# Altium PCB PCB1.PcbDoc
Units mil, origin at the board's own origin, x right, y up, seen from the top; angles counter-clockwise.
Board outline 4439.14 x 4603.27 mil, 2 copper layers (Top Layer, Bottom Layer); 98 components, 122 nets, 405 pads, 50 vias.
Unrouted connection lines stored in the file: 5.
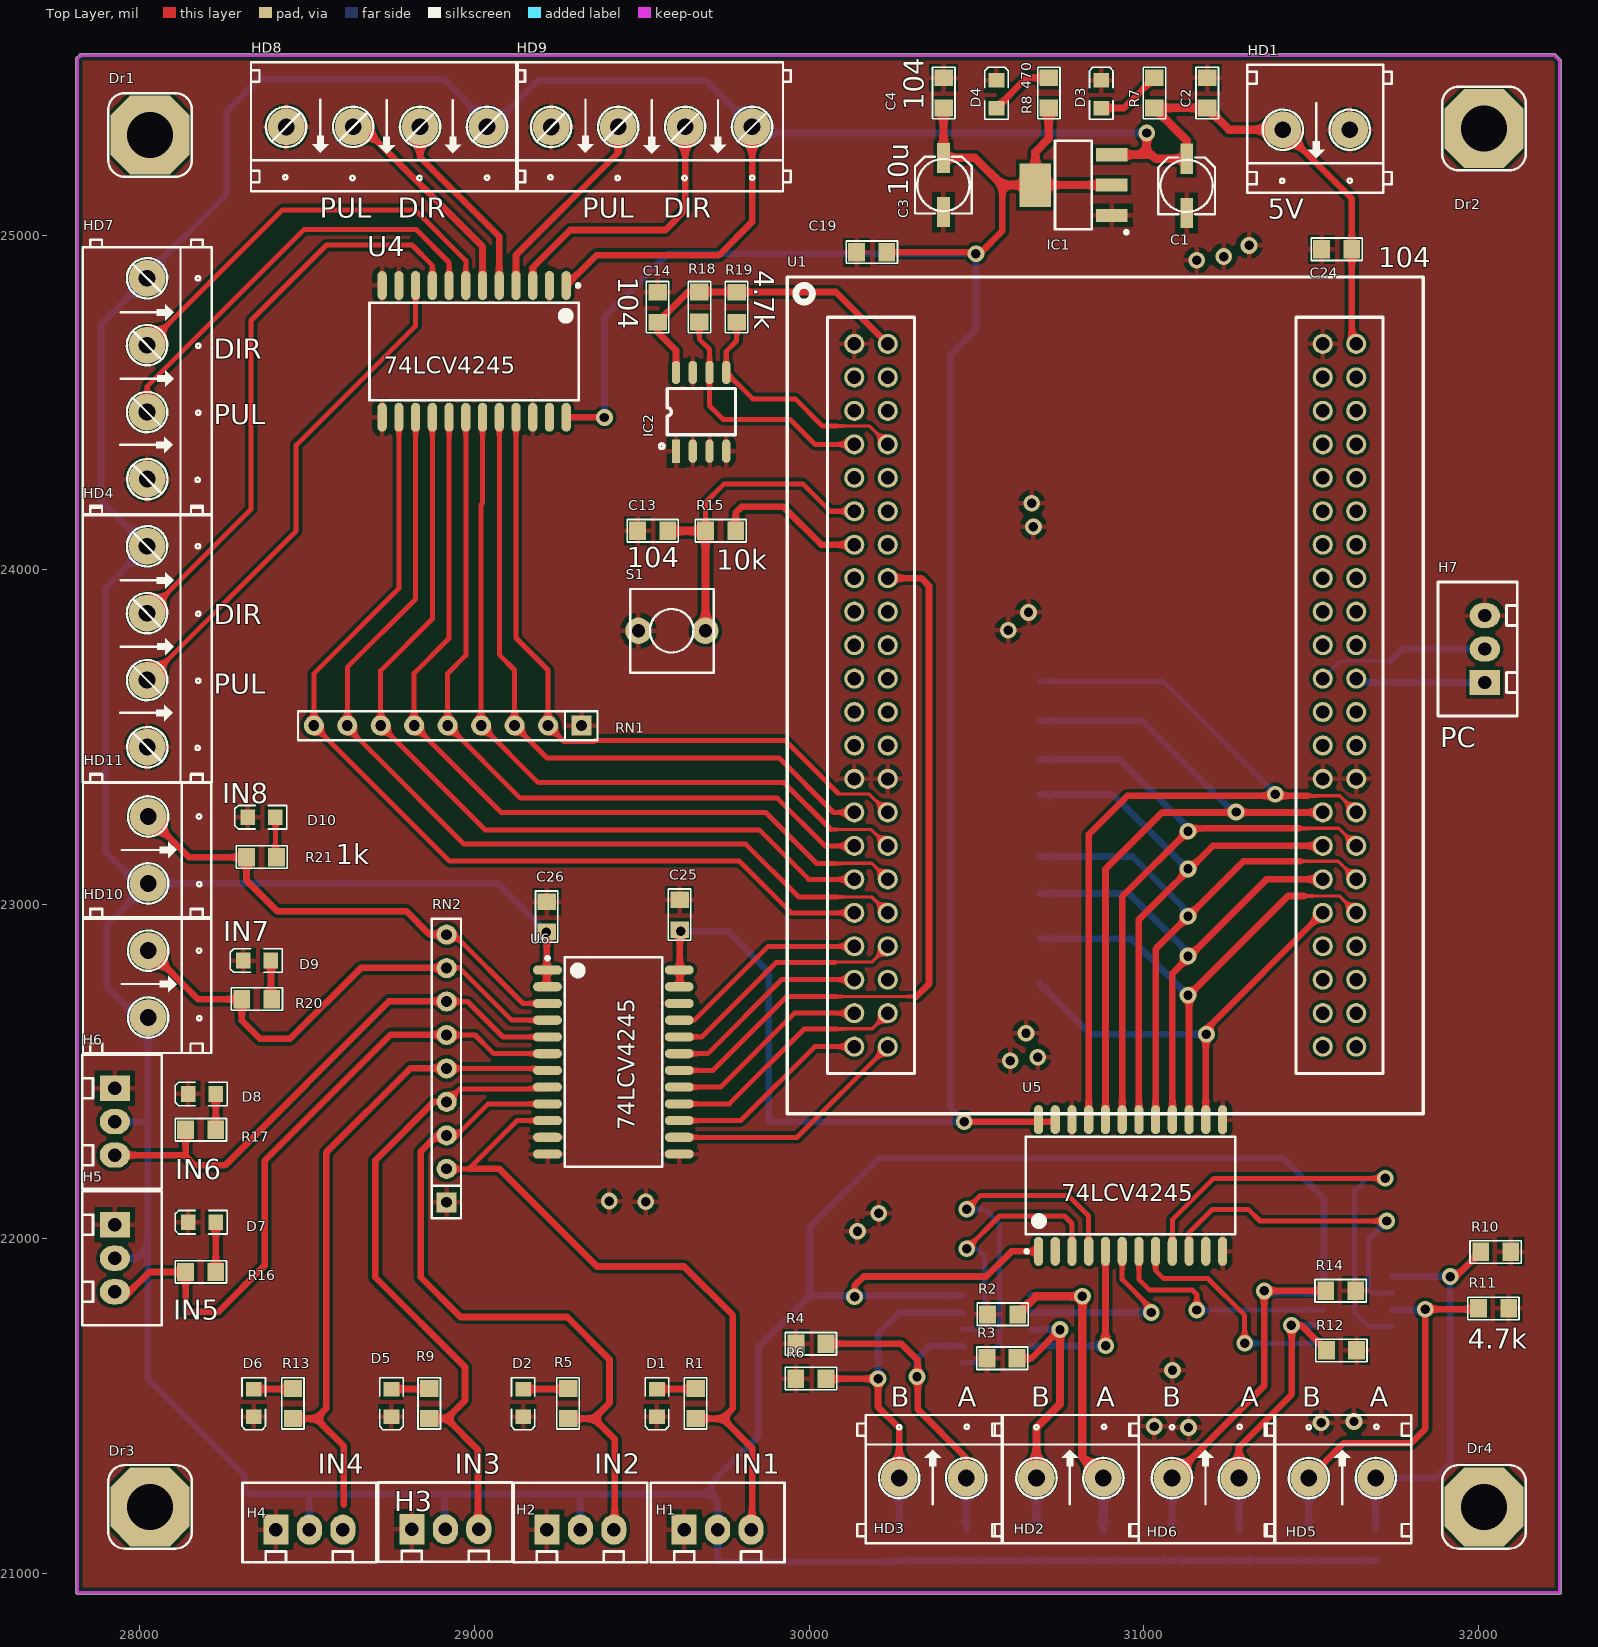
[diagram p0: Top Layer view]
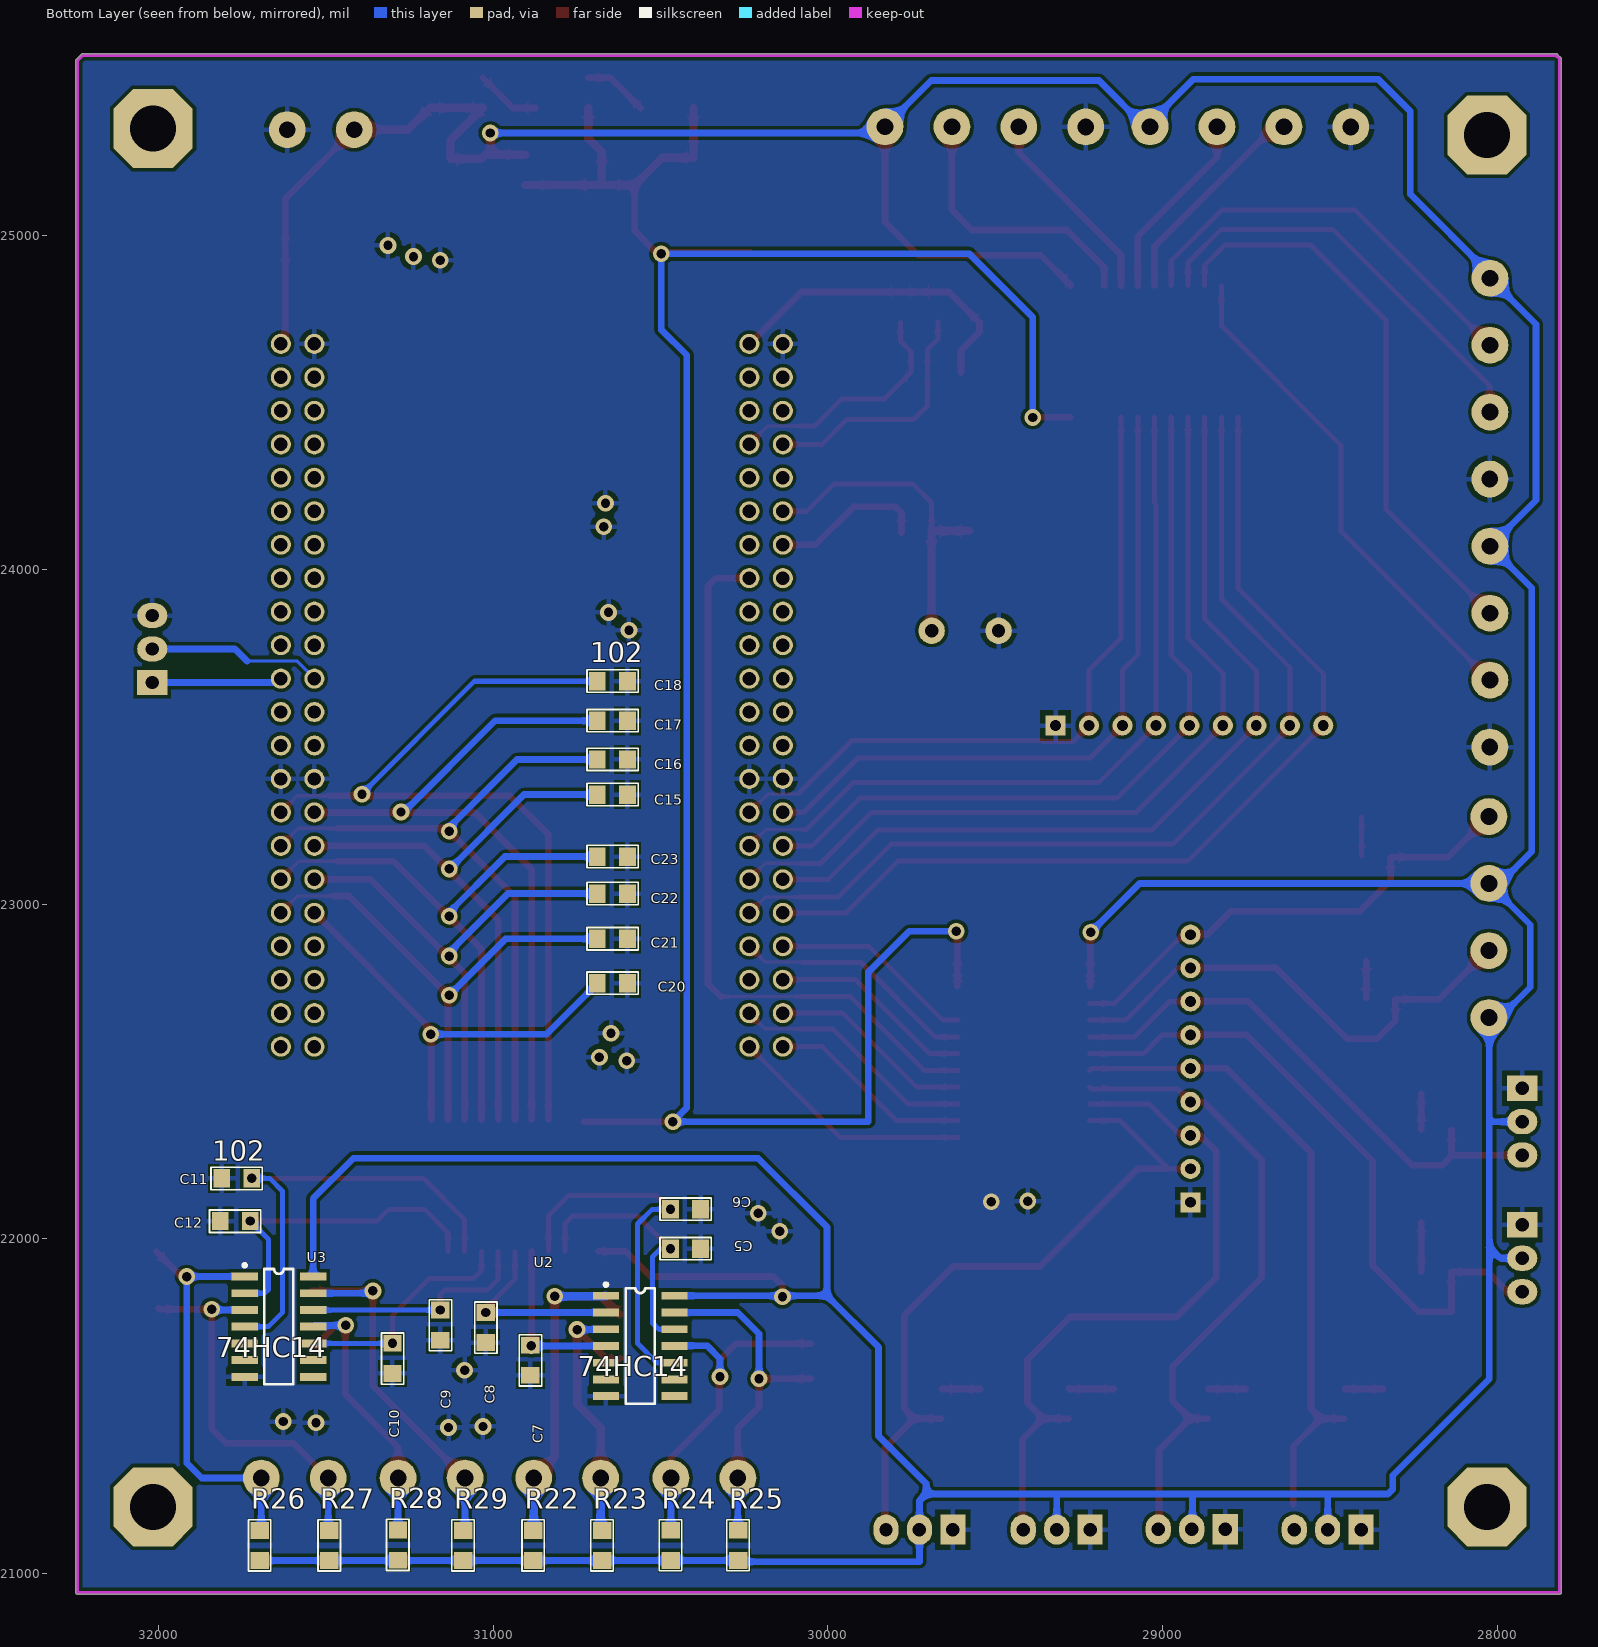
[diagram p1: Bottom Layer view, seen from below]
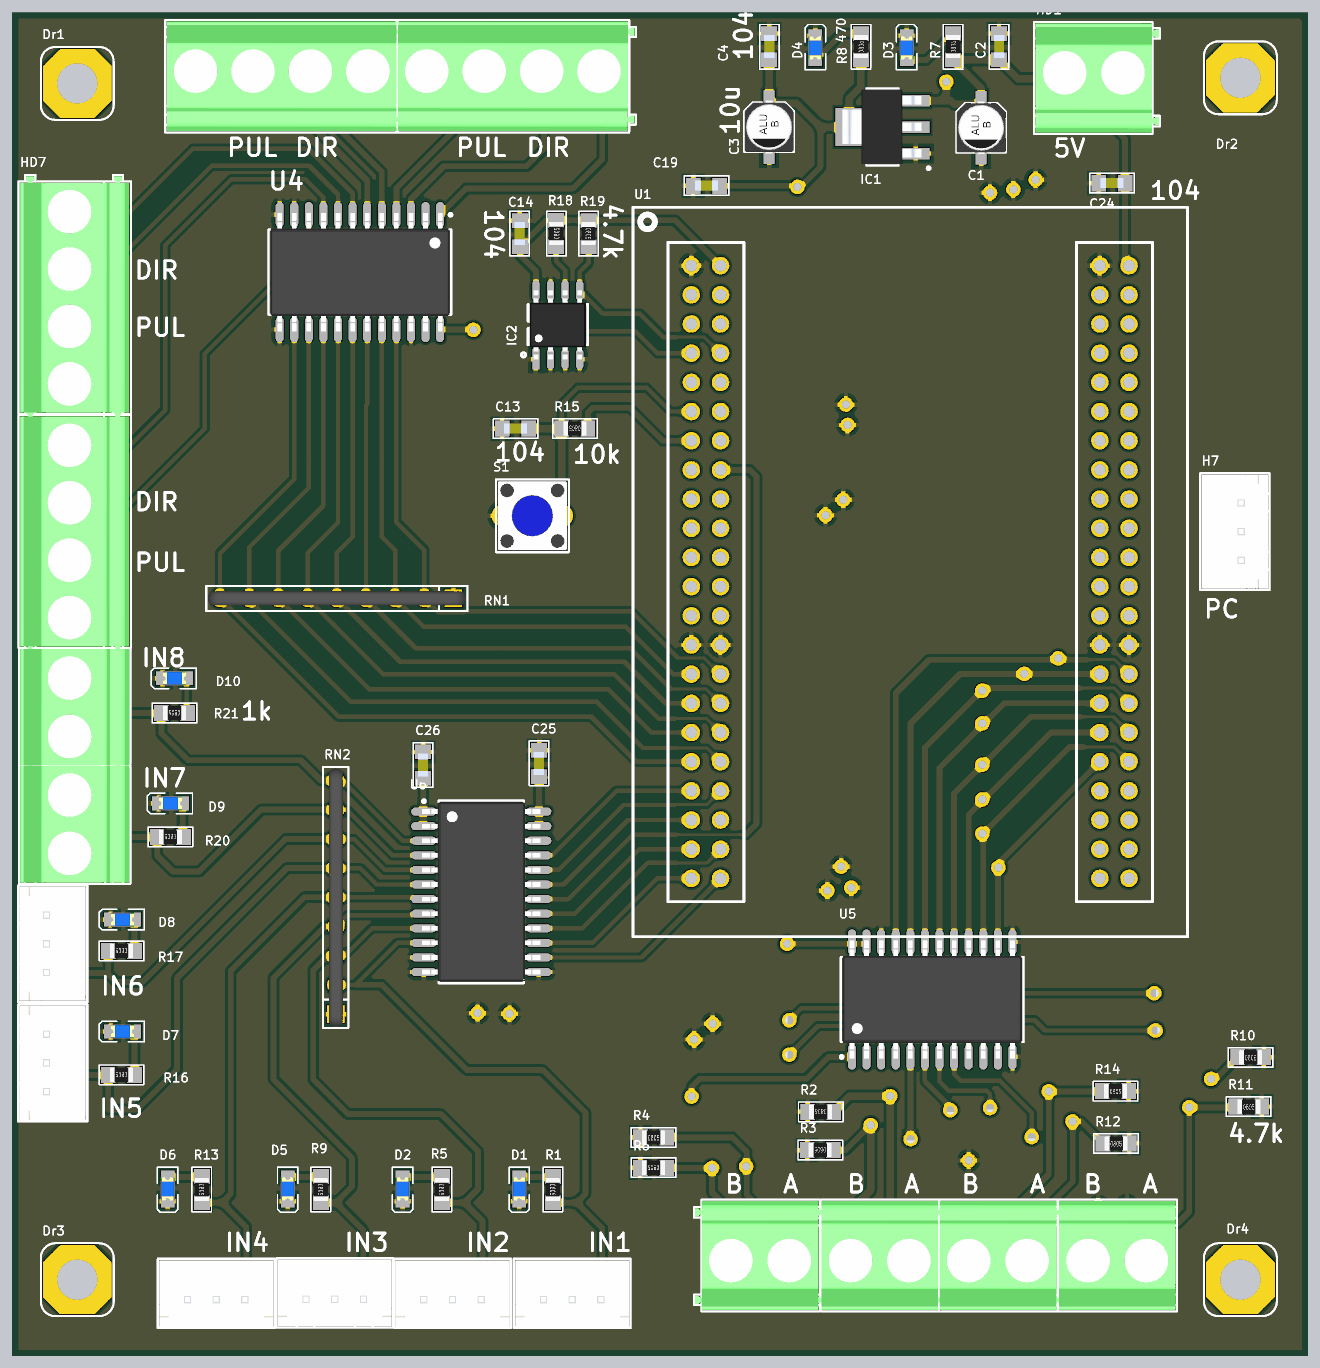
[diagram p2: 3D render of the assembled board from above, using the file's embedded part models]
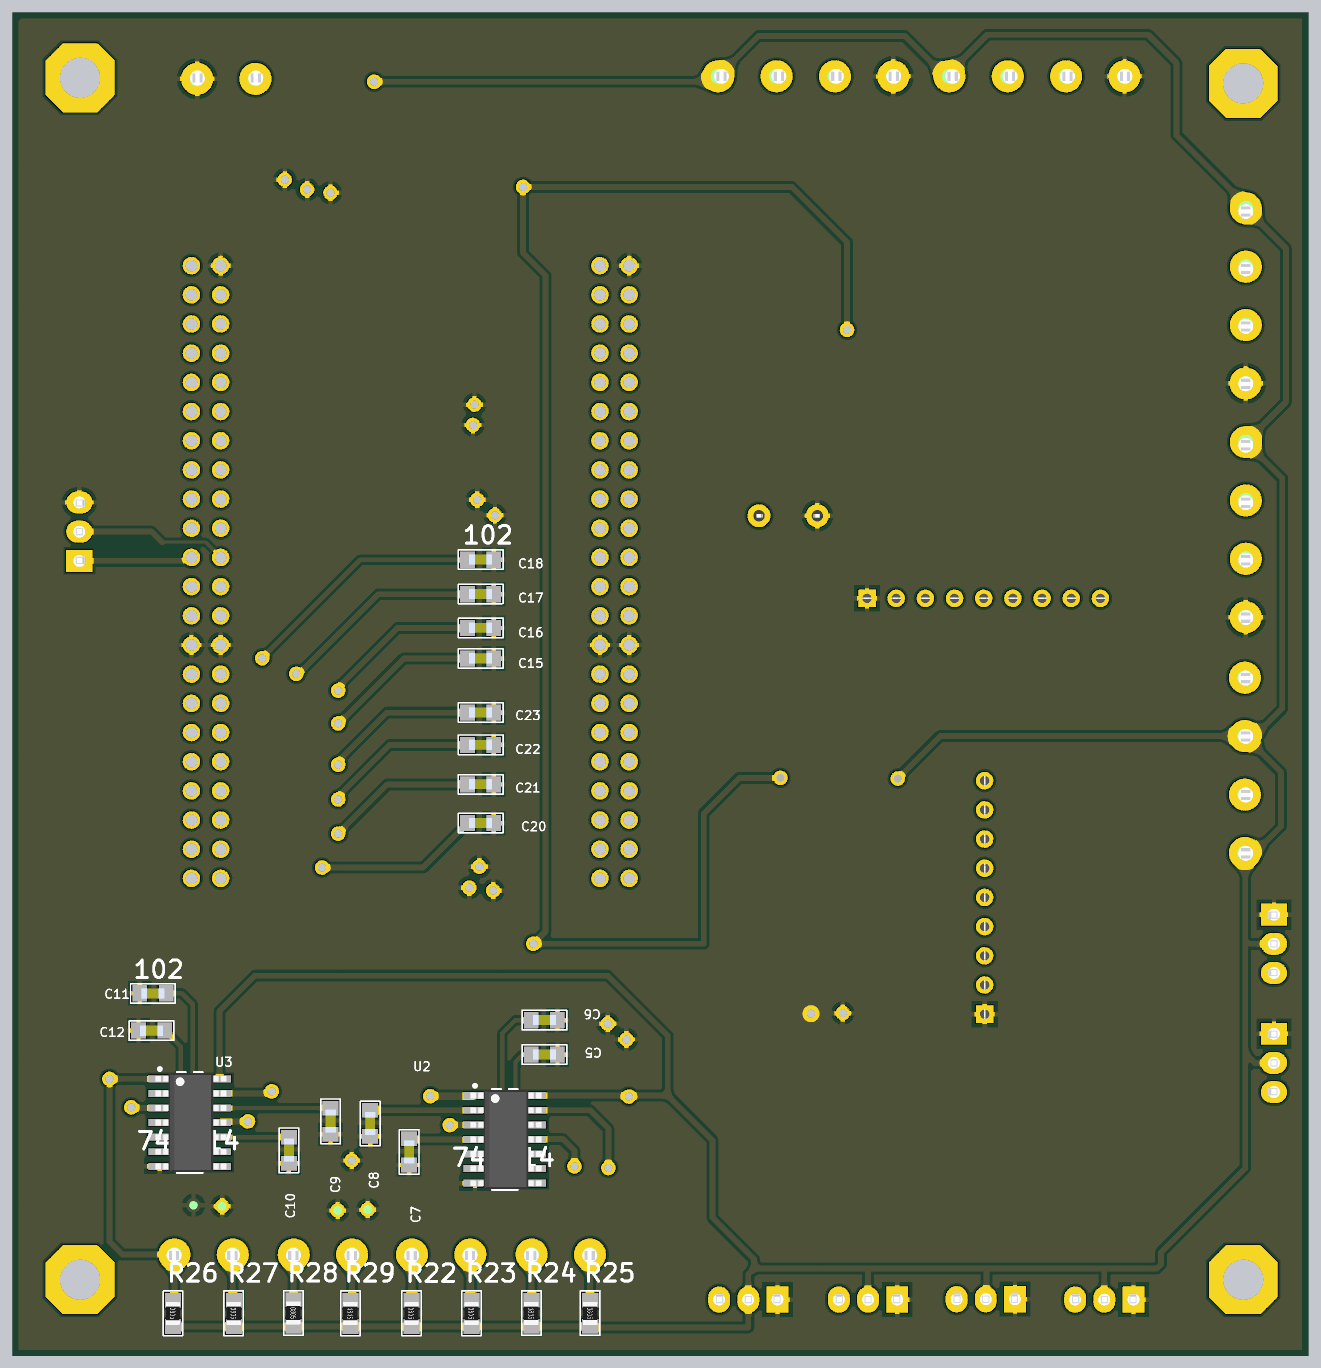
[diagram p3: 3D render of the assembled board from below, using the file's embedded part models]

## Layer stack, top to bottom
Top Solder: solder mask 0.4, Solder Resist, Dk 3.5
Top Layer: signal copper 1.4
Dielectric 1: dielectric 12.6, FR-4, Dk 4.8
Bottom Layer: signal copper 1.4
Bottom Solder: solder mask 0.4, Solder Resist, Dk 3.5

## Board outline
27808.47,20943.47 27808.47,25526.68 cw(c27813.48,25526.68) 27809.95,25530.24 27809.94,25530.22 27819.39,25539.67 27819.37,25539.66 cw(c27822.93,25536.13) 27819.69,25539.95 cw(c27823.52,25536.71) 27823.52,25541.72 32226.99,25541.72 cw(c32226.99,25536.71) 32230.55,25540.24 32230.53,25540.26 32246.14,25524.65 32246.12,25524.67 cw(c32242.59,25521.11) 32247.6,25521.11 32247.6,20943.47 cw(c32242.59,20943.47) 32242.59,20938.45 27813.48,20938.45 cw(c27813.48,20943.47)

## Design rules (kind name [scope] priority, off if disabled: settings)
Clearance Clearance_1 [All] p1: gap=10
Clearance [All] p2: gap=20
PolygonConnect [All] p1: connectstyle=Relief reliefconductorwidth=15 reliefentries=4 polygonreliefangle="90 Angle" airgapwidth=15
RoutingVias [All] p1: holewidth=28 width=50 viastyle="Through Hole" minholewidth=28 minwidth=50 maxholewidth=28 maxwidth=50
SolderMaskExpansion [All] p1: expansion=4
Width [All] p1: maxlimit=100 minlimit=10 preferedwidth=10
30 further rules are at their usual default settings.

## Components (designator, comment, footprint, x,y, rotation, side; value= is the part's Value field where it differs from the comment)
C1 "10uF/16V" CAP_ALU_B 31127.96,25228.01 r270 top
C2 "104" CAP-SM-0805 31189.22,25380.05 r90 top
C3 "10uF/16V" CAP_ALU_B 30401.23,25230.54 r270 top
C4 "104" CAP-SM-0805 30401.64,25380.05 r90 top
C5 "102" CAP-SM-0805 30380.59,21970.63 r0 bottom
C6 "102" CAP-SM-0805 30380.59,22088.54 r0 bottom
C7 "102" CAP-SM-0805 30889.11,21592.63 r90 bottom
C8 "102" CAP-SM-0805 31022.66,21690.44 r90 bottom
C9 "102" CAP-SM-0805 31158.54,21697.66 r90 bottom
C10 "102" CAP-SM-0805 31301.31,21598.26 r90 bottom
C11 "102" CAP-SM-0805 31811.73,22181.15 r180 bottom
C12 "102" CAP-SM-0805 31816.25,22053.59 r180 bottom
C13 "104" CAP-SM-0805 29577.18,24115.94 r180 top
C14 "104" CAP-SM-0805 29547,24829.12 r270 top
C15 "102" CAP-SM-0805 30598.97,23328.05 r0 bottom
C16 "102" CAP-SM-0805 30598.97,23432.89 r0 bottom
C17 "102" CAP-SM-0805 30598.97,23548.5 r0 bottom
C18 "102" CAP-SM-0805 30598.97,23666.7 r0 bottom
C19 "104" CAP-SM-0805 30231.81,24948.38 r180 top
C20 "102" CAP-SM-0805 30598.97,22764.06 r0 bottom
C21 "102" CAP-SM-0805 30598.97,22896.72 r0 bottom
C22 "102" CAP-SM-0805 30598.97,23032.13 r0 bottom
C23 "102" CAP-SM-0805 30598.97,23142.68 r0 bottom
C24 "104" CAP-SM-0805 31621.29,24957.11 r180 top
C25 "104" CAP-SM-0805 29613.1,23013.73 r270 top
C26 "104" CAP-SM-0805 29216,23008.11 r270 top
D1 "LED" LED_0805_Blue 29545.06,21510.17 r270 top
D2 "LED" LED_0805_Blue 29145.42,21510.17 r270 top
D3 "LED" LED_0805_Blue 30872.83,25421.05 r90 top
D4 "LED" LED_0805_Blue 30559.72,25421.05 r90 top
D5 "LED" LED_0805_Blue 28751.63,21510.17 r270 top
D6 "LED" LED_0805_Blue 28340.25,21510.17 r270 top
D7 "LED" LED_0805_Blue 28185.58,22050.11 r180 top
D8 "LED" LED_0805_Blue 28185.58,22433.52 r180 top
D9 "LED" LED_0805_Blue 28350.29,22831.83 r180 top
D10 "LED" LED_0805_Blue 28363.75,23260.4 r180 top
Dr1 "Drill" "Drill 3mm" 28030.44,25299.19 r0 top
Dr2 "Drill" "Drill 3mm" 32016.5,25318.47 r0 top
Dr3 "Drill" "Drill 3mm" 28030.44,21199.47 r0 top
Dr4 "Drill" "Drill 3mm" 32016.5,21199.47 r0 top
H1 "IN 1" "Header White 3" 29626.52,21131.32 r0 top
H2 "IN 2" "Header White 3" 29216.22,21131.32 r0 top
H3 "IN 3" "Header White 3" 28812.72,21132.49 r0 top
H4 "IN 4" "Header White 3" 28406.48,21131.32 r0 top
H5 "IN 5" "Header White 3" 27925.1,22042.37 r270 top
H6 "IN 6" "Header White 3" 27925.1,22450.51 r270 top
H7 "PC" "Header White 3" 32019.08,23663.06 r90 top
HD1 "5V IN" "Domino 2" 31615.52,25314.85 r180 top
HD2 "ENC 1" "Domino 2" 30679.25,21285.58 r0 top
HD3 "ENC 2" "Domino 2" 30269.11,21285.58 r0 top
HD4 "PWM 1" "Domino 4" 28021.5,24070.07 r270 top
HD5 "ENC 3" "Domino 2" 31493.31,21285.58 r0 top
HD6 "ENC 4" "Domino 2" 31084.31,21285.58 r0 top
HD7 "PWM 2" "Domino 4" 28021.5,24871.01 r270 top
HD8 "PWM 3" "Domino 4" 29037.36,25323.57 r180 top
HD9 "PWM 4" "Domino 4" 29829.52,25323.57 r180 top
HD10 "IN 7" "Domino 2" 28024.67,22861.72 r270 top
HD11 "IN 8" "Domino 2" 28024.67,23262.45 r270 top
IC1 "LM1117-3V3" SOT223-4N 30789.92,25149.51 r180 top
IC2 "24Cxx" SOIC8 29602.22,24354.41 r90 top
R1 "1k" RES-SM-0805 29661.09,21553.17 r270 top
R2 "4.7k" RES-SM-0805 30623.15,21774.42 r180 top
R3 "4.7k" RES-SM-0805 30621.44,21643.19 r180 top
R4 "4.7k" RES-SM-0805 29960.63,21687.28 r0 top
R5 "1k" RES-SM-0805 29280.2,21553.17 r270 top
R6 "4.7k" RES-SM-0805 30050.02,21582.77 r180 top
R7 "470" RES-SM-0805 31031.36,25380.05 r90 top
R8 "470" RES-SM-0805 30715.82,25380.05 r90 top
R9 "10k" RES-SM-0805 28865.31,21553.17 r270 top
R10 "4.7k" RES-SM-0805 32006.89,21961.92 r0 top
R11 "4.7k" RES-SM-0805 32000.28,21793.03 r0 top
R12 "4.7k" RES-SM-0805 31545.78,21666.87 r0 top
R13 "1k" RES-SM-0805 28457.45,21553.17 r270 top
R14 "4.7k" RES-SM-0805 31543.61,21845.87 r0 top
R15 "10k" RES-SM-0805 29780.36,24115.94 r180 top
R16 "1k" RES-SM-0805 28226.58,21901.27 r180 top
R17 "1k" RES-SM-0805 28226.58,22325.88 r180 top
R18 "4.7k" RES-SM-0805 29671.75,24740.12 r90 top
R19 "4.7k" RES-SM-0805 29783.16,24829.12 r270 top
R20 "1k" RES-SM-0805 28394.32,22716.55 r180 top
R21 "1k" RES-SM-0805 28408.5,23141.06 r180 top
R22 "4.7k" RES-SM-0805 30880.29,21129.02 r270 bottom
R23 "4.7k" RES-SM-0805 30674.56,21129.02 r270 bottom
R24 "4.7k" RES-SM-0805 30469.61,21129.32 r270 bottom
R25 "4.7k" RES-SM-0805 30268.13,21129.32 r270 bottom
R26 "4.7k" RES-SM-0805 31697.66,21129.02 r270 bottom
R27 "4.7k" RES-SM-0805 31489.71,21129.02 r270 bottom
R28 "4.7k" RES-SM-0805 31284.87,21130.03 r270 bottom
R29 "4.7k" RES-SM-0805 31089.85,21129.02 r270 bottom
RN1 "10K" RN8 29319.74,23534.41 r180 top
RN2 "10K" RN8 28916.55,22109.52 r90 top
S1 "Reset" SW2 29489.93,23817.53 r0 top
U1 "STM_CPLD_Board" STM_CPLD_Board 30134.84,24674.72 r0 top
U2 "74HC14" SO14-150mil 30560.86,21680.25 r270 bottom
U3 "74HC14" SO14-150mil 31640.8,21737.86 r270 bottom
U4 "74LCV4245" "SOIC24 - wide" 28998.99,24652.56 r270 top
U5 "74LCV4245" "SOIC24 - wide" 30960.38,22159.76 r90 top
U6 "74LCV4245" "SOIC24 - wide" 29414.96,22528.76 r0 top

## Footprints (in the part's own frame and the unit in brackets; to place one, negate y for a bottom-side part, rotate by r counter-clockwise, add the part's x,y. Pads: shape width x height; smd on the part's side, far side on the other; paste and mask are expansions set on the pad)
CAP-SM-0805 [mil]
  rect 50x55 smd: 1(0,0) 2(90,0)
  silkscreen extent -32,-34 121,33, body extent 6,-18 84,17, height 47